# Allegro board V851S_V851SE_PER1_STD_QFN88_V1_0.brd (continued)
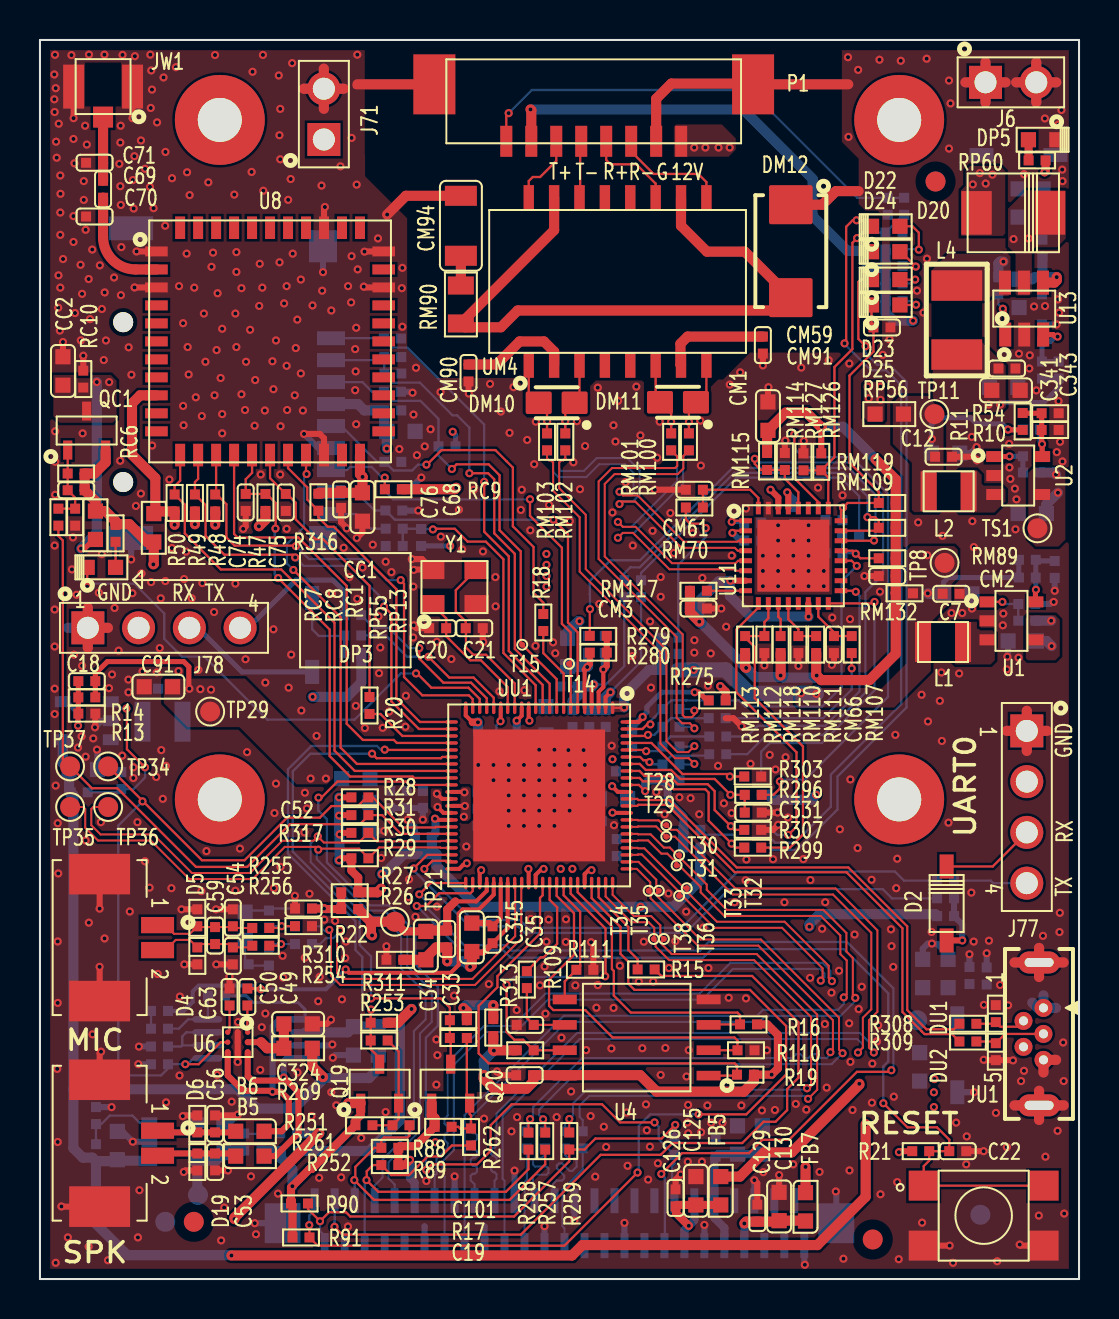
[diagram p0: board, top side]
## Routing (per net, layer and track width the routed paths; a pad name or vN(x,y) marks a point on that pad's centre or on a via; arc(x,y) is an arc through that point) (continued)
VCC33-PF: length 8.8
  PWR03 w0.254: v1(20.53,36.68) 20.53,36.69 20.83,36.99 20.83,37.67 19.83,38.67 19.83,41.57 v1(20.66,42.39)
  BOTTOM w0.254: v1(20.53,36.68) 20.53,36.68 RC2.2 ; RC3.2 20.79,42.26 v1(20.66,42.39)
VCC-5V: length 99.3
  TOP w0.508: v1(14.16,10.11) 14.16,10.11 13.63,10.64 R269.2 ; v1(9.58,1.18) 26.63,1.18 27.15,1.7 38.91,1.7 41.32,4.11 v1(41.32,7.75)
  BOTTOM w0.254: C342.2 R7.2 50.98,44.61 50.23,43.86 48.09,43.86 48.06,43.82 v1(48.06,43.75)
  BOTTOM w0.508: 1.67,9.5 1.67,6.55 2.14,6.07 2.63,6.07 R12.1 ; 1.67,9.5 1.67,24.22 R98.1 1.46,24.44 C93.2 1.15,25.81 U3.4 ; 1.67,9.5 9.89,9.5 10.85,8.53 12.71,8.53 14.16,9.98 v1(14.16,10.11) 14.21,10.06 16.47,10.06 16.93,10.52 B4.2 ; R3.1 v1(50.61,32.94) ; R12.1 2.8,2.77 4.37,1.19 9.57,1.19 v1(9.58,1.18) ; R12.1 3.8,5.9 C15.2 3.92,5.92 U12.1 ; C4.2 50.38,31.92 v1(50.63,31.67) ; C10.2 50.37,38.77 v1(50.94,39.34) ; v1(50.85,40.26) 50.74,40.36 R9.1
  vias: v1(44.74,9.34) v1(44.74,8.61) v1(44.76,10) v1(47.48,43.76)
VCC-CARD0-3.3V: length 31.3
  TOP w0.254: RC1.2 2.69,37.01 2.24,36.55 v1(2.06,36.55)
  PWR03 w0.508: v1(3.46,44.88) 3.46,42.8 5.24,41.02 16.82,41.02 v1(17.36,41.55)
  BOTTOM w0.508: JC1.4 15.92,43.78 16.23,43.46 DC5.2 17.23,42.54 CC3.2 v1(17.36,41.55) ; v1(2.06,36.55) 2.84,37.34 v1(2.84,44.88)
VCC-DRAM: length 1.7
  TOP w0.203: v1(19.86,24.28) 20.12,24.02 UU1.34 ; UU1.36 20.19,23.32 v1(19.9,23.62)
VCC-IO: length 45.5
  TOP w0.203: v1(28.63,24.66) 28.92,24.37 UU1.78 ; UU1.47 22.01,20.37 22.08,20.44 v1(22.08,20.46) ; UU1.55 24.81,20.22 25.1,20.52 v1(25.21,20.52) ; 27.26,30.49 UU1.5 ; v1(21.36,20.8) 21.29,20.73 21.18,20.73 20.98,20.52 UU1.44
  TOP w0.305: 27.26,30.49 v1(27.39,30.62) 27.52,30.75 R280.1
  TOP w0.508: v1(20.83,39.59) 20.76,39.52 RC9.2
  PWR03 w0.508: v1(38.51,17.63) 37.88,17 32.81,17 32.19,17.63 27.91,17.63 25.53,20.01 ; v1(20.83,39.59) 20.83,39.49 23.41,36.91 23.41,31.37 25.25,29.54 26.93,29.54
  BOTTOM w0.508: R23.1 44.8,18.26 39.01,18.26 38.51,17.75 v1(38.51,17.63) ; RP57.2 26.43,30.62 v1(27.39,30.62) 27.43,30.67 C100.1
  vias: v1(26.06,20.52) v1(26.64,20.52) v1(28.65,26.01)
VCC-LDOA: length 73.8
  TOP w0.203: v1(19.77,23.03) 19.83,22.97 UU1.37 ; UU1.14 24.11,28.19 v1(23.86,27.94) ; v1(27.6,20.46) 27.46,20.46 27.26,20.26 UU1.62
  TOP w0.406: v1(18.52,5.96) 18.26,5.7 R89.2 R88.2 18.01,6.65 18.78,6.65 R252.2 ; R91.2 12.64,3.71 R90.2 12.56,4.58 v1(12.63,4.65) 13.5,5.51 13.6,5.51 R251.2 15.79,7.94 16.05,8.2 Q19.1
  TOP w0.508: R252.2 19.75,8.04 19.6,8.19 Q20.1 ; v1(15.43,8.79) 15.44,8.8 Q19.1
  PWR03 w0.406: v1(23.86,27.94) 23.86,27.35 23.35,26.84 21.94,26.84 20.6,25.5 20.6,23.55 20.09,23.03 v1(19.77,23.03)
  PWR03 w0.508: v1(15.43,8.79) 15.91,9.27 15.91,19.33 16.8,20.22 17.06,20.22 v1(17.1,20.26) ; v1(30.06,18.63) 29.43,18.63 v1(27.6,20.46) ; v1(12.63,4.65) 13.74,5.75 18.31,5.75 v1(18.52,5.96)
  BOTTOM w0.406: v1(18.52,5.96) 18.52,5.06 18.75,4.82 J24.11 ; C337.1 19.79,22.3 19.8,23 v1(19.77,23.03) ; C335.1 v1(23.86,27.94)
  BOTTOM w0.508: v1(12.63,4.65) 12.63,5.48 12.05,6.06 R314.1 11.09,6.41 R108.2 ; C337.1 19.62,22.11 19.62,21.49 19.85,21.26 ; 19.85,21.26 18.21,21.26 17.22,20.26 v1(17.1,20.26) ; 19.85,21.26 19.85,20.66 21.88,18.63 v1(30.06,18.63) 31.72,18.63 33.05,19.96 R300.1
VCC-PE: length 37
  TOP w0.203: UU1.22 21.31,28.2 21.65,27.86
  TOP w0.381: v1(21.92,27.86) 21.65,27.86
  TOP w0.508: v1(21.19,13.56) 21.36,13.39 R311.2 ; R313.2 22.69,13.7 v1(22.69,13.7) ; v1(18.59,13.51) 17.9,12.82 R310.2
  PWR03 w0.508: 18.64,13.56 v1(21.19,13.56) ; 18.64,13.56 v1(18.59,13.51) ; 18.64,13.56 18.64,17.37 17.81,18.2 17.81,24.23 21.34,27.76 21.82,27.76 v1(21.92,27.86)
  BOTTOM w0.508: v1(22.69,13.7) 21.33,13.7 v1(21.19,13.56) ; R314.2 16.48,6.41 18.01,7.94 18.01,12.93 v1(18.59,13.51) ; v1(21.92,27.86) 21.92,27.34 21.95,27.3 C88.2
VCC-WIFI: length 26.5
  TOP w0.508: R47.1 11.29,38 v1(10.96,37.67) ; R49.1 v1(7.76,37.77) ; 5.77,38.38 5.77,40.08 4.61,41.25 4.61,43.81 5.01,44.22 U8.9 ; 5.77,38.38 RP13.2 ; 5.77,38.38 5.81,38.41 R50.1 v1(6.74,37.74) ; 15.17,39.34 C76.1 14.97,39.34 ; 15.17,39.34 14.97,39.34 ; 15.17,39.34 C68.1 16.14,40.13 v1(16.14,40.14) 16.02,40.27 U8.22 ; 14.97,39.34 13.98,39.34 R316.1 ; R48.1 v1(8.77,37.74)
  PWR03 w0.508: v1(6.74,37.74) 6.76,37.77 v1(7.76,37.77) 8.75,37.77 v1(8.77,37.74) 9.15,38.12 10.5,38.12 v1(10.96,37.67) 12.48,39.19 15.2,39.19 v1(16.14,40.14)
VDD-SYS: length 5.7
  TOP w0.203: v1(23.05,27.91) 23.06,27.92 UU1.17 ; UU1.35 21.26,23.67 v1(21.26,23.67) ; v1(28.65,23.34) 28.66,23.32 UU1.75 ; v1(21.24,24.36) 21.22,24.37 UU1.33 ; v1(24.49,27.94) 24.46,27.97 UU1.13 ; v1(24.44,20.52) 24.46,20.51 UU1.54
  TOP w0.406: R275.1 34.32,29.39 v1(34.05,29.66)
  BOTTOM w0.114: C30.1 22.84,27.71 v1(23.05,27.91)
  vias: v1(21.21,23.13) v1(25.35,36.28) v1(25.35,35.74) v1(25.35,35.18) v1(25.35,34.65) v1(41.43,44.65) v1(41.48,44.07) v1(42.06,44.65) v1(42.06,43.99)
ANT: length 5.6
  TOP w0.508: C69.1 C70.2 3.16,52.14 arc(3.63,50.99) 4.78,50.52 U8.2
CARD-PWROFF: length 34.9
  TOP w0.114: UU1.39 18.07,22.27 17.13,23.21 R31.2 16.44,23.18 16.01,22.76 12.51,22.76 10.37,20.62 7.81,20.62 3.87,24.56 2.6,24.56 TP37.1 1.14,26.01 1.14,36.96 0.92,37.18 RC7.1
CPUX-RX: length 30.9
  TOP w0.114: v1(18.7,20.55) 19.38,21.22 UU1.42
  BOTTOM w0.114: R106.1 42.64,19.05 42.17,19.51 34.49,19.51 32.3,17.32 24.25,17.32 23.92,17.65 21.5,17.65 18.7,20.44 v1(18.7,20.55)
CPUX-TX: length 29.9
  TOP w0.114: v1(19.24,20.52) 19.64,20.93 20.54,20.93 UU1.43
  BOTTOM w0.114: v1(19.24,20.52) 19.24,20.37 21.64,17.96 24.02,17.96 24.41,17.57 32.1,17.57 34.92,20.39 42.78,20.39 43.24,19.94 R24.1
DC-IN: length 1.9
  BOTTOM w0.508: JU1.1 49.93,13.57 49.66,13.83 ; JU1.1 50.22,14.19 ; JU1.1 50.85,13.57
DCDC1-3V3: length 166.7
  TOP w0.305: R30.1 15.07,22.32 v1(14.99,22.25) ; R31.1 14.99,23.21 v1(14.97,23.19) ; v1(14.97,24.1) R28.1 ; v1(14.97,20.95) 15.07,21.05 R29.1
  TOP w0.406: R27.2 15.93,20.09 15.59,20.44 R29.1 ; RP60.1 50.33,55.43 v1(50.27,55.38) ; R19.1 v1(36.62,10.23) 36.93,10.54 36.93,12.21 36.4,12.74 R16.1
  TOP w0.508: R19.1 35.73,9.89 35.22,9.38 30.86,9.38 30.04,10.2 26.24,10.2 ; 26.24,10.2 C19.2 24.68,9.86 24.34,9.52 22.72,9.52 22.21,10.03 v1(22.21,10.21) ; 26.24,10.2 U4.8 ; QC1.2 3.29,40.87 2.73,40.31 RC6.2 CC1.2 2.78,38.93 RC1.1 3.28,38.43 3.78,37.92 RP55.1 3.82,37.77 4.47,37.77 5.37,36.88 RP13.1 5.7,35.79 v1(5.67,35.76) ; v1(41,9.77) 41,9.73 37.62,6.34 36.24,6.34 35.03,5.13 FB5.2 ; v1(17.07,19.54) 16.89,19.35 R27.2 ; R17.1 22.73,11.45 v1(22.72,11.43) 22.69,11.46 R313.1
  PWR03 w0.406: v1(43.69,47.95) 43.86,47.79 45.01,47.79 45.55,48.32 45.55,50.5 50.27,55.23 v1(50.27,55.38)
  PWR03 w0.508: v1(27,32.92) 28.98,32.92 31.42,30.48 v1(32.72,30.48) ; v1(38.85,29.28) 38.84,29.27 v1(38.84,24.23) 38.84,21.79 41.49,19.15 41.49,15.85 43.31,14.02 43.31,10.28 42.8,9.77 v1(41,9.77) 40.55,10.23 v1(36.62,10.23) ; v1(14.97,24.1) 14.97,27.81 v1(13.65,29.13) 13.65,32.13 10.02,35.76 v1(5.67,35.76) ; v1(44.41,36.22) 43.07,37.55 43.07,44.99 43.69,45.61 v1(43.69,47.95) ; v1(22.21,10.21) 21.98,10.44 19.71,10.44 17.92,12.22 17.92,17.04 17.07,17.89 v1(17.07,19.54)
  BOTTOM w0.254: C5.2 45.22,34.87 45.45,35.1 R6.1 C8.1
  BOTTOM w0.508: RP57.1 26.39,32.08 26.39,32.36 26.95,32.92 v1(27,32.92) ; v1(14.97,24.1) v1(14.97,23.19) 14.97,22.27 v1(14.99,22.25) 14.99,20.98 v1(14.97,20.95) ; v1(22.21,10.21) 22.21,10.92 v1(22.72,11.43) ; RM105.2 42.24,50.6 RM129.2 ; R297.1 36.47,24.23 36.72,23.98 38.6,23.98 v1(38.84,24.23) ; RM129.2 RM104.2 RM128.2 42.32,48.35 42.72,47.95 v1(43.69,47.95) ; RM129.2 RM98.2 ; v1(44.43,34.31) 44.46,34.29 C5.2 ; v1(13.65,29.13) 15.36,29.13 16.08,29.85 R239.2
  BOTTOM w0.762: v1(38.85,29.28) 38.82,29.31 v1(38.1,29.31) 35.48,29.31 34.31,30.48 v1(32.72,30.48) R284.1
DCDC2-0V9: length 7.2
  TOP w0.254: v1(48.45,42.51) 48.46,42.49 R11.1
  BOTTOM w0.254: C13.1 v1(48.45,42.51) 48.15,42.8 46.87,42.8 46.57,43.09 44.96,43.09 44.61,42.75 44.61,42.01 ; 44.61,42.01 v1(44.64,42.03) ; 44.61,42.01 C11.2
DCDC3-1V5: length 7.3
  TOP w0.254: R14.1 C18.1 2.77,30.29 3.37,30.89 7.2,30.89 7.45,30.64 7.45,29.56 v1(7.48,29.54)
  vias: v1(8.03,29.51) v1(8.56,29.49) v1(13.55,25.04) v1(14.31,25.04)
DCIN-12V: length 54.9
  TOP w0.508: FB7.2 v1(38.31,5.61)
  PWR03 w0.508: v1(38.31,5.61) 39.79,7.09 41.63,7.09 44.02,9.47 44.02,14.38 43.46,14.93 43.46,19.94 46.08,22.55 46.08,29.39 47.24,30.56 47.24,34.92 45.92,36.25 45.92,43.48 47.59,45.15 47.59,51.25 48.38,52.04 v1(48.72,52.04)
  vias: v1(49.48,52.07)
DCXO-XIN: length 7
  TOP w0.114: Y1.1 20.33,33.06 C20.2 20.33,32.17 21.53,30.96 22.07,30.96 23.41,29.62 UU1.16
DCXO-XOUT: length 8.9
  TOP w0.114: Y1.3 20.81,34.47 20.81,33.4 21.31,32.9 C21.2 21.32,32.56 21.32,31.6 21.68,31.24 22.32,31.24 23.76,29.8 UU1.15
EPHY-RXN: length 20.1
  TOP w0.102: RM100.1 32.2,41.19 32.2,40.56 31.91,40.28 28.76,40.28 28.26,39.78 28.26,36.16 32.16,32.25 32.16,28.22 32.27,28.11 32.62,28.11 32.75,28.24 v1(32.75,28.44)
  BOTTOM w0.102: v1(32.75,28.44) 32.67,28.52 R305.1
EPHY-RXP: length 20.5
  TOP w0.102: RM101.1 31.89,41.16 31.89,40.69 31.79,40.58 28.63,40.58 27.96,39.91 27.96,36.03 31.86,32.13 31.86,28.09 32.14,27.81 32.52,27.81 32.75,27.58 v1(32.75,27.56)
  BOTTOM w0.102: R304.1 32.67,27.63 v1(32.75,27.56)
EPHY-TXN: length 19.5
  TOP w0.102: v1(32.75,26.67) 32.45,26.37 31.91,26.37 31.35,26.92 31.35,31.49 27.31,35.53 27.31,38.24 25.99,39.57 25.99,40.86 26.09,40.97 26.19,40.97 26.29,41.07 RM102.1
  BOTTOM w0.102: v1(32.75,26.67) 32.72,26.64 R302.1
EPHY-TXP: length 20
  TOP w0.102: RM103.1 25.38,41.07 25.48,40.97 25.58,40.97 25.68,40.86 25.68,39.44 27.01,38.12 27.01,35.4 31.05,31.36 31.05,26.79 31.78,26.06 32.47,26.06 v1(32.75,25.78)
  BOTTOM w0.102: v1(32.75,25.78) 32.72,25.75 R301.1
GPADC0: length 48.4
  TOP w0.114: v1(18.86,18.67) 19.34,18.67 19.98,19.3 21.54,19.3 21.66,19.42 UU1.46 ; K1.3 K1.1 44.23,5.65 44.5,5.92 R21.1 C22.2 45.51,6.98 44.89,7.59 43.41,7.59 v1(42.21,8.8)
  BOTTOM w0.114: v1(42.21,8.8) 42.2,8.8 42.2,10.64 42.45,10.89 42.45,14.3 40.24,16.51 33.61,16.51 33.18,16.08 23.55,16.08 23.18,16.45 21.07,16.45 v1(18.86,18.67)
IR-CUT-CTRL+: length 43.8
  TOP w0.102: UU1.41 20.06,21.57 20.03,21.6 16.98,21.6 R29.2 16.44,21.07 15.97,21.54 14.05,21.54 14,21.49 v1(13.93,21.49) 13.79,21.62 12.25,21.62 10.64,20.01 7.48,20.01 5.55,21.94 2.9,21.94 2.26,22.58 2.26,23.52 2.16,23.62 TP35.1
  BOTTOM w0.102: v1(13.93,21.49) 13.85,21.41 13.85,21.01 16.42,18.44 17.25,18.44 18.38,17.31 18.38,15.65 19.61,14.42 19.61,12.87 19.02,12.28 19.02,7.42 17.45,5.85 17.45,5.03 17.75,4.73 J24.9
IR-CUT-CTRL-: length 44.3
  TOP w0.102: UU1.40 20.06,21.92 20.03,21.9 16.86,21.9 R30.2 15.95,21.84 14.21,21.84 v1(13.9,22.15) 13.68,21.93 12.12,21.93 10.51,20.32 7.6,20.32 5.67,22.25 3.03,22.25 2.57,22.71 2.57,23.52 2.67,23.62 TP36.1
  BOTTOM w0.102: J24.7 16.75,4.69 17.14,5.08 17.14,5.98 18.71,7.54 18.71,12.4 19.3,12.99 19.3,14.3 18.08,15.52 18.08,17.18 17.12,18.13 16.27,18.13 13.55,20.86 13.55,21.79 v1(13.9,22.15)
IR-LED-EN-PWM: length 50.2
  TOP w0.114: v1(31.09,5.26) 32.14,6.3 35.49,6.3 36.15,6.97 37.49,6.97 40.89,10.37 42.53,10.37 v1(42.61,10.45) ; UU1.45 19.55,19.81 v1(18.98,19.25)
  BOTTOM w0.114: v1(18.98,19.25) 19.29,18.94 19.29,18.65 21.23,16.71 23.33,16.71 23.6,16.44 33.03,16.44 33.46,16.87 40.39,16.87 42.71,14.55 42.71,10.55 42.61,10.45 v1(42.61,10.45) ; J24.36 31.27,1.69 31.27,5.08 v1(31.09,5.26)
LDO-1V8: length 1.8
  BOTTOM w0.114: R94.2 10.24,7.26 R108.1 11.12,7.3 R315.1
LED0/PMEB: length 14.3
  TOP w0.114: U11.24 40.09,38.5 v1(40.19,38.6) 40.42,38.83 RM119.2 41.98,39.39 40.51,40.85 40.51,45.21 41.71,46.41 CM59.2 41.61,47.71 D25.2
  BOTTOM w0.114: RM120.1 40.16,38.57 v1(40.19,38.6)
LED1-AD1: length 19.2
  TOP w0.114: RM126.2 39.76,41.13 39.76,45.63 40.66,46.53 40.66,51.85 v1(40.89,52.09) 41.06,52.09 41.61,51.53 D24.2 ; RM126.2 39.45,40.11 U11.25 ; RM126.2 RM127.1
  BOTTOM w0.114: v1(40.89,52.09) 41.18,52.37 CM60.2 43.2,53.25 RM131.1
LED-REC: length 26.2
  TOP w0.114: DP3.2 v1(2.36,34.65) ; v1(18.82,30.3) 18.87,30.3 19.59,29.59 21.45,29.59 22.01,29.03 UU1.20
  BOTTOM w0.114: v1(18.82,30.3) 18.06,30.3 15.75,27.99 11.38,27.99 8.23,31.14 7.11,31.14 6.22,32.03 6.22,33.3 4.72,34.8 2.51,34.8 v1(2.36,34.65)
LINEOUTP: length 22.1
  TOP w0.152: C49.1 11.02,14.54 v1(11.06,14.5)
  TOP w0.203: v1(15.3,15.49) 15.47,15.32 20.56,15.32 20.95,15.72 20.95,18.29 21.16,18.49 21.97,18.49 22.71,19.23 UU1.49
  BOTTOM w0.203: C58.1 7.19,13.42 7.65,13.87 7.65,14.39 7.94,14.68 10.62,14.68 10.8,14.5 v1(11.06,14.5) 14.31,14.5 v1(15.3,15.49)
LINK-LED: length 42.9
  TOP w0.114: v1(40.26,46.82) 40.27,46.82 40.35,46.9 40.35,52.65 40.67,52.98 v1(40.87,52.98) 41.31,52.98 D22.2
  BOTTOM w0.114: v1(40.26,46.82) 40.26,46.79 41.58,45.47 42.35,45.47 43.1,44.72 43.1,28.76 39.58,25.24 39.58,23.63 37.79,21.83 36.79,21.83 36.6,22.03 34.93,22.03 34.73,22.23 33.29,22.23 R306.1 ; RM130.1 41.14,53.25 v1(40.87,52.98)
MBIAS: length 2.9
  TOP w0.406: C52.1 14.21,18.54 v1(14.21,18.53) 14.27,18.53 14.29,18.51 R26.1 R27.1
  BOTTOM w0.406: v1(14.21,18.53) 14.21,18.54 C52.1
MCSI-CKN: length 47.5
  TOP w0.102: v1(40.94,11.34) 41.18,11.58 41.18,13.08 41.6,13.5 41.6,17.32 39.69,19.24 34.67,19.24 31.78,22.14 T29.1 30.83,22.65 29.93,22.65 29.91,22.62 UU1.73
  BOTTOM w0.102: J24.20 23.25,4.92 23.15,5.02 23.15,8.15 27.01,12.01 40.9,12.01 41.18,11.73 41.18,11.58 v1(40.94,11.34)
MCSI-CKP: length 47.3
  TOP w0.102: v1(41.73,11.34) 41.49,11.58 41.49,12.95 41.91,13.37 41.91,17.45 39.81,19.54 34.8,19.54 31.87,22.48 31.58,22.48 T28.1 31.2,22.71 30.96,22.95 29.93,22.95 29.91,22.97 UU1.74
  BOTTOM w0.102: J24.19 22.75,4.92 22.85,5.02 22.85,5.25 22.75,5.35 22.68,5.35 22.58,5.45 22.58,5.65 22.68,5.75 22.75,5.75 22.85,5.85 22.85,6.06 22.75,6.16 22.68,6.16 22.58,6.26 22.58,6.46 22.68,6.57 22.75,6.57 22.85,6.67 22.85,8.28 26.88,12.31 41.03,12.31 41.49,11.86 41.49,11.58 v1(41.73,11.34)
MCSI-D0N: length 43.4
  TOP w0.102: v1(39.07,14.93) 39.17,15.03 39.17,15.55 37.14,17.57 33.75,17.57 32.15,19.17 T33.1 32.02,19.2 32.02,19.35 30.12,21.25 29.93,21.25 29.91,21.22 UU1.69
  BOTTOM w0.102: v1(39.07,14.93) 39.26,15.12 39.26,15.29 39.03,15.52 34.68,15.52 33.14,13.98 25.42,13.98 23.8,12.36 22.35,12.36 20.71,10.71 20.71,6.45 20.15,5.89 20.15,5.23 20.25,5.13 J24.14
MCSI-D0P: length 42.9
  TOP w0.102: v1(39.63,14.91) 39.47,15.07 39.47,15.67 37.26,17.88 33.88,17.88 32.37,19.39 T32.1 32.24,19.55 30.24,21.55 29.93,21.55 29.91,21.57 UU1.70
  BOTTOM w0.102: v1(39.63,14.91) 39.63,14.98 39.56,15.05 39.56,15.42 39.16,15.82 34.56,15.82 33.01,14.28 25.3,14.28 23.68,12.66 22.23,12.66 20.4,10.84 20.4,8.18 20.24,8.02 20.24,7.78 20.4,7.61 20.4,7.37 20.24,7.21 20.24,6.96 20.4,6.8 20.4,6.57 19.85,6.02 19.85,5.26 19.75,5.16 J24.13
MCSI-D1N: length 43.9
  TOP w0.102: v1(40.8,14.07) 40.68,14.19 40.68,16.07 40.36,16.39 40.36,17.32 39.2,18.47 34.38,18.47 33.37,19.48 33.37,19.74 31.99,21.12 T30.1 31.9,21.21 31.52,21.59 31.22,21.59 30.56,22.25 29.93,22.25 29.91,22.27 UU1.72
  BOTTOM w0.102: v1(40.8,14.07) 40.8,13.91 40.06,13.17 36.31,13.17 36.01,12.87 26.34,12.87 21.55,8.08 21.55,7.4 21.66,7.3 21.77,7.3 21.87,7.2 21.87,6.99 21.77,6.89 21.66,6.89 21.55,6.79 21.55,6.59 21.66,6.49 21.77,6.49 21.87,6.39 21.87,6.18 21.77,6.08 21.66,6.08 21.55,5.98 21.55,5.78 21.66,5.67 21.77,5.67 21.87,5.57 21.87,5.37 21.77,5.27 21.66,5.27 21.55,5.17 21.55,4.94 21.75,4.74 J24.17
MCSI-D1P: length 44.3
  TOP w0.102: v1(40.23,14.09) 40.37,14.24 40.37,15.94 40.05,16.26 40.05,17.19 39.08,18.17 34.25,18.17 33.06,19.35 33.06,19.62 31.98,20.7 T31.1 31.86,20.82 31.39,21.29 31.1,21.29 30.43,21.95 29.93,21.95 29.91,21.92 UU1.71
  BOTTOM w0.102: J24.16 21.25,8.21 26.22,13.17 35.88,13.17 36.18,13.47 39.93,13.47 40.23,13.77 v1(40.23,14.09)
MIC1N-MIC: length 5.3
  TOP w0.102: R256.1 10.54,16.59 C63.2 9.49,16.76 C59.1 8.04,16.76 D4.2 7.5,16.97 6.8,16.97 6.29,16.46 J5.2
MIC1P-MIC: length 5.1
  TOP w0.102: J5.1 6.27,17.71 6.71,17.27 7.5,17.27 D5.2 7.91,17.61 C59.2 9.61,17.61 C54.1 9.74,17.57 R255.1
MICIN1N: length 16.5
  TOP w0.102: UU1.52 23.78,19.79 23.78,17.16 21.64,15.02 15.16,15.02 14.87,15.31 14.87,17.35 14.97,17.45 v1(15.02,17.45)
  BOTTOM w0.102: v1(15.02,17.45) 15.02,17.4 14.68,17.05 14.31,17.05 14.01,16.76 C61.2
MICIN1P: length 16.8
  TOP w0.102: v1(14.48,17.47) 14.56,17.39 14.56,15.19 15.04,14.71 21.77,14.71 24.09,17.03 24.09,19.79 UU1.53
  BOTTOM w0.102: C57.2 14.01,17.65 14.26,17.4 14.41,17.4 v1(14.48,17.47)
MIPI-CSI-D2N: length 4.4
  BOTTOM w0.102: R263.2 25.26,6.21 25.12,6.07 24.79,6.07 24.67,5.96 24.67,5.73 24.77,5.63 25.35,5.63 25.45,5.53 25.45,5.32 25.35,5.22 24.77,5.22 24.67,5.12 24.67,4 J24.23
MIPI-CSI-D2P: length 4.9
  BOTTOM w0.102: J24.22 24.25,3.7 24.26,3.71 24.26,4.87 24.37,4.98 R264.2
MIPI-CSI-D3N: length 5.3
  BOTTOM w0.102: J24.26 26.25,2.54 26.14,2.65 26.14,4.48 27.16,5.49 R265.2
MIPI-CSI-D3P: length 5
  BOTTOM w0.102: R266.2 26.27,6.21 26.47,6.02 26.75,6.02 26.86,5.92 26.86,5.62 26.65,5.41 26.5,5.41 26.13,5.79 25.97,5.79 25.87,5.69 25.87,5.54 26.24,5.17 26.24,5.03 26.13,4.93 25.85,4.93 25.68,4.76 25.68,3.99 J24.25
MIPI-CSI-MCLK0: length 39.6
  TOP w0.114: R15.2 31.09,15.17 35.64,15.17 37.96,12.85 37.96,10.07 37.39,9.51 37.39,8.45 36.81,7.87 36.21,7.87 35.15,6.8 31.66,6.8 31.06,6.21 28.06,6.21 24.07,2.22 15.13,2.22 v1(14.74,2.61)
  BOTTOM w0.114: J24.3 14.75,2.88 14.74,2.87 v1(14.74,2.61)
MIPI-CSI-PWDN0: length 23.4
  TOP w0.114: 14.02,2.9 v1(14.01,2.89) ; 14.02,2.9 14.46,3.34 15.32,3.34 15.53,3.13 23.73,3.13 26.49,5.89 R259.2 27.25,6.48 27.8,7.03 31.11,7.03 v1(31.79,7.71) ; 14.02,2.9 13.41,3.5 R90.1
  BOTTOM w0.114: v1(31.79,7.71) 31.76,7.68 R268.2 ; v1(14.01,2.89) 14.02,2.89 14.02,2.4 14.25,2.17 J24.2
MIPI-CSI-SCK: length 17.3
  TOP w0.114: R261.2 18.49,7.18 18.4,7.08 17.23,7.08 17.08,6.94 17.08,6.57 R88.1 16.74,6.57 15.78,5.61 15.78,5 v1(15.73,4.95) 16.72,3.96 23.5,3.96 25.29,5.74 R257.2
  BOTTOM w0.114: J24.5 15.75,4.93 v1(15.73,4.95)
MIPI-CSI-SDA: length 19.7
  TOP w0.114: R258.2 24.45,5.49 23.32,4.36 16.93,4.36 v1(16.34,4.95) 16.35,4.96 16.35,5.39 16.66,5.7 R89.1 17.58,5.2 18.47,5.2 19.4,6.13 20.06,6.13 20.61,6.68 R262.2
  BOTTOM w0.114: v1(16.34,4.95) 16.25,4.86 J24.6
PA6: length 34.5
  TOP w0.102: UU1.68 29.95,20.87 30.84,19.98 30.84,19.55 T35.1 30.87,19.32 30.87,19.18 33.05,16.99 36.08,16.99 39.99,13.08 39.99,11.48 v1(40.17,11.3) ; R257.1 25.29,7.89 v1(25.18,8)
  BOTTOM w0.102: v1(40.17,11.3) 39.62,10.75 27.26,10.75 24.98,8.47 24.98,8.19 v1(25.18,8) 25.26,7.92 R263.1
PA7: length 34.1
  TOP w0.102: v1(39.56,11.35) 39.68,11.48 39.68,12.95 35.95,16.68 32.93,16.68 30.56,19.05 30.56,19.33 T34.1 30.54,19.5 30.54,19.86 29.87,20.52 UU1.67 ; v1(24.53,8) 24.45,7.93 R258.1
  BOTTOM w0.102: v1(39.56,11.35) 39.56,11.25 39.36,11.06 39.06,11.06 38.87,11.25 38.66,11.25 38.46,11.06 38.25,11.06 38.05,11.25 37.84,11.25 37.65,11.06 27.14,11.06 24.68,8.6 24.68,8.16 v1(24.53,8) 24.37,7.84 R264.1
PA8: length 31.4
  TOP w0.102: v1(38.44,9.02) 38.9,9.47 38.9,13.23 35.86,16.26 31.61,16.26 31.11,16.76 31.11,16.9 T36.1 31.05,17.19 31.05,17.7 30.59,18.16 29.73,18.16 28.66,19.23 UU1.66
  BOTTOM w0.102: R265.1 27.16,7.95 27.01,8.11 27.01,8.68 27.49,9.17 38.26,9.17 38.39,9.04 38.42,9.04 v1(38.44,9.02)
PA9: length 32
  TOP w0.102: v1(26.49,8.01) 26.49,8.01 R259.1 ; UU1.65 28.31,19.14 29.6,17.85 30.46,17.85 30.74,17.57 30.74,17.04 T38.1 30.81,16.92 30.81,16.63 31.49,15.96 35.74,15.96 38.59,13.11 38.59,9.65 38.49,9.55 v1(38.39,9.55)
  BOTTOM w0.102: R266.1 26.27,7.79 v1(26.49,8.01) 26.68,8.19 26.68,8.78 27.36,9.47 38.31,9.47 v1(38.39,9.55)
PA11: length 47.9
  TOP w0.114: UU1.63 27.61,19.06 29.05,17.61 29.05,16.27 29.44,15.88 29.44,14.78 29.75,14.47 35.53,14.47 37.34,12.66 37.34,10.24 35.35,8.24 v1(32.96,8.24) ; v1(13.47,2.7) 13.49,2.69 R91.1 13.9,1.67 26.24,1.67 v1(29.91,5.33)
  BOTTOM w0.114: v1(13.47,2.7) 13.47,3.17 13.75,3.44 J24.1 ; v1(32.96,8.24) 30.54,8.24 29.97,7.67 29.97,5.39 v1(29.91,5.33)
PA-SHDN: length 42.5
  TOP w0.114: v1(7.27,10.75) 7.94,10.75 9.04,11.85 U6.C2 ; TP34.1 5.13,23.93 v1(5.13,23.9) 5.16,23.9 8.11,20.95 10.24,20.95 12.37,23.09 14.01,23.09 14.59,23.67 15.91,23.67 16.34,24.1 16.34,24.1 R28.2 16.66,24.1 18.17,22.6 19.79,22.6 19.82,22.62 UU1.38
  BOTTOM w0.114: U5.1 7.68,11.04 7.38,10.75 v1(7.27,10.75) R36.1 6.41,10.54 6.06,10.19 4.42,10.19 3.92,10.7 3.92,22.69 v1(5.13,23.9)
PE8-TWI1-SCK: length 25.4
  TOP w0.114: v1(16.57,13.48) 16.55,13.47 R310.1 R254.1 16.55,11.5 17,11.05 Q19.3 ; v1(17.25,26.49) 17.27,26.47 UU1.27
  BOTTOM w0.114: v1(16.57,13.48) 16.13,13.92 16.13,16.12 15.79,16.46 15.79,17.91 12.41,21.28 12.41,25.51 13.58,26.67 16.87,26.67 17.05,26.49 v1(17.25,26.49)
PE9-TWI1-SDA: length 28.4
  TOP w0.114: Q20.3 20.55,12.02 R253.1 R311.1 20.51,13.58 20.05,14.04 v1(16.57,14.04) ; v1(16.62,26.29) 16.85,26.06 20.07,26.06 20.13,26.12 UU1.28
  BOTTOM w0.114: v1(16.57,14.04) 16.57,16.15 16,16.71 16,18.03 12.65,21.38 12.65,25.41 13.53,26.29 v1(16.62,26.29)
PHY-AVDD33: length 53.1
  TOP w0.305: v1(38.46,33.14) 38.45,33.16 U11.14 ; U11.30 36.95,39.1 v1(36.56,39.49) ; RM126.1 39.1,42.62 ; U11.7 v1(34.55,34.94)
  TOP w0.508: v1(41.82,41.02) 42.83,40.01 RM119.1 RM109.2 RM89.1 CM2.2 42.83,34.33 ; v1(39.12,42.64) 39.1,42.62 38.36,43.35 37.32,43.35 CM1.2 36.39,42.42 RM115.1 ; 42.83,34.33 42.83,31.28 41.51,29.97 39.1,29.97 v1(38.87,30.2) 38.84,30.22 RM111.1 ; 42.83,34.33 RM132.1 ; v1(35.34,30.58) 35.29,30.63 RM113.1 ; RM118.1 v1(37.07,30.2) ; RM117.1 CM3.2 32.53,33.36 v1(32.99,32.89)
  PWR03 w0.508: v1(34.55,34.94) 33.99,35.5 33.99,38.19 35.3,39.49 v1(36.56,39.49)
  BOTTOM w0.508: v1(39.12,42.64) 40.19,42.64 v1(41.82,41.02) ; 34.53,34.92 33.98,34.92 32.99,33.93 v1(32.99,32.89) 33.05,32.84 33.08,32.84 v1(35.34,30.58) 35.8,30.12 36.99,30.12 v1(37.07,30.2) 37.07,30.2 37.17,30.1 38.77,30.1 v1(38.87,30.2) ; 34.53,34.92 v1(34.55,34.94) ; 34.53,34.92 34.53,34.18 35.56,33.14 v1(38.46,33.14)
PHYRSTB: length 3.5
  TOP w0.114: RM89.2 41.05,36.06 v1(40.83,36.29) 40.68,36.44 U11.21
  BOTTOM w0.114: v1(40.83,36.29) 40.8,36.32 CM65.2 40.15,36.33 RM108.2
RMII-25MOUT: length 7.8
  TOP w0.114: RM70.2 32.32,38.01 32.54,37.8 33.1,37.8 v1(33.32,37.58)
  BOTTOM w0.114: R283.1 31.95,35.76 33.32,37.13 v1(33.32,37.58)
RMII-CRS-DV: length 29.3
  TOP w0.114: v1(37.75,42.27) 37.75,42.26 37.75,40.08 38.95,38.88 U11.26 ; R296.1 36.71,24.23 37.03,24.55 v1(37.03,24.9)
  BOTTOM w0.114: v1(37.03,24.9) 37.12,24.99 38.3,24.99 42.44,29.13 42.44,39.3 40.61,41.12 38.19,41.12 37.73,41.59 37.73,42.24 v1(37.75,42.27)
RMII-MDC: length 23.9
  TOP w0.114: v1(27.52,33.52) 27.52,33.52 27.52,33.51 R279.1 ; v1(41.74,36.95) 41.73,36.94 U11.22
  BOTTOM w0.114: v1(27.52,33.52) 27.52,34.25 27.52,34.26 27.52,34.93 28.55,35.97 30.03,35.97 34.65,40.58 40.47,40.58 41.82,39.24 41.82,37.03 v1(41.74,36.95)
RMII-MDI0+: length 15
  TOP w0.102: U11.3 34.95,36.94 34.9,36.89 32.23,36.89 29.92,39.21 29.19,39.21 v1(29,39.39)
  BOTTOM w0.102: v1(29,39.39) 29.18,39.22 29.55,39.22 29.7,39.37 29.7,40.34 29.27,40.77 27.99,40.77 27.34,40.13 25.94,40.13 25.68,40.39 25.68,40.86 25.58,40.97 25.48,40.97 25.38,41.07 RM94.1
RMII-MDI0-: length 15.5
  TOP w0.102: U11.4 34.92,36.44 34.77,36.59 32.11,36.59 29.79,38.9 29.13,38.9 v1(29,38.78)
  BOTTOM w0.102: v1(29,38.78) 29.14,38.91 29.68,38.91 30.01,39.24 30.01,40.47 29.4,41.08 27.86,41.08 27.22,40.43 26.07,40.43 25.99,40.52 25.99,40.86 26.09,40.97 26.19,40.97 26.29,41.07 RM95.1
RMII-MDI1+: length 13
  TOP w0.102: v1(28.92,37.88) 29.17,37.64 29.81,37.64 31.63,35.82 34.81,35.82 34.94,35.94 U11.5
  BOTTOM w0.102: RM96.1 31.88,41.17 31.88,39.92 29.6,37.64 29.17,37.64 v1(28.92,37.88)
RMII-MDI1-: length 13.5
  TOP w0.102: v1(28.92,37.09) 29.17,37.33 29.68,37.33 31.5,35.51 34.78,35.51 34.85,35.44 U11.6
  BOTTOM w0.102: RM97.1 32.18,41.17 32.18,39.79 29.73,37.33 29.17,37.33 v1(28.92,37.09)
RMII-MDIO: length 19.1
  TOP w0.114: U11.23 41.83,37.44 RM109.1 41.98,37.94 41.79,38.12 v1(41.41,38.12)
  BOTTOM w0.114: R277.1 29.24,35.31 29.54,35.61 30.02,35.61 34.75,40.34 40.23,40.34 41.41,39.16 v1(41.41,38.12)
RMII-RESET: length 15.7
  BOTTOM w0.114: RM108.1 41,39.17 40.07,40.1 34.85,40.1 30.08,35.33 R281.1
RMII-RXD0: length 14.9
  TOP w0.114: U11.9 35.95,33.6 34.85,32.49 34.85,29.37 37.86,26.36 37.86,22.63 v1(37.45,22.22)
  BOTTOM w0.114: R295.1 36.64,22.48 36.89,22.22 v1(37.45,22.22)
RMII-RXD1: length 16.2
  TOP w0.114: U11.10 36.45,33.07 36.25,32.87 RM112.1 RM113.2 35.29,32.1 35.77,31.62 35.77,30.77 35.78,30.76 35.78,30.4 35.77,30.39 35.77,29.07 38.18,26.65 38.18,22.24 37.53,21.59 R299.1
RMII-RXER: length 29.7
  TOP w0.114: v1(35.77,41.04) 35.77,40.79 36.08,40.48 RM115.2 RM114.1 37.28,40.05 37.95,39.37 U11.28
  BOTTOM w0.114: v1(35.77,41.04) 35.96,40.85 40.54,40.85 42.2,39.2 42.2,35.26 41.31,34.37 41.31,29.34 39.19,27.23 36.36,27.23 35.39,26.26 R293.1
RMII-TXCK: length 8.7
  TOP w0.114: RM107.1 v1(40.62,30.55)
  BOTTOM w0.114: R287.1 39.19,28.06 40.62,29.5 v1(40.62,30.55)
RMII-TXD0: length 15